# KiCad board FrontEnd_5G.kicad_pcb (continued)
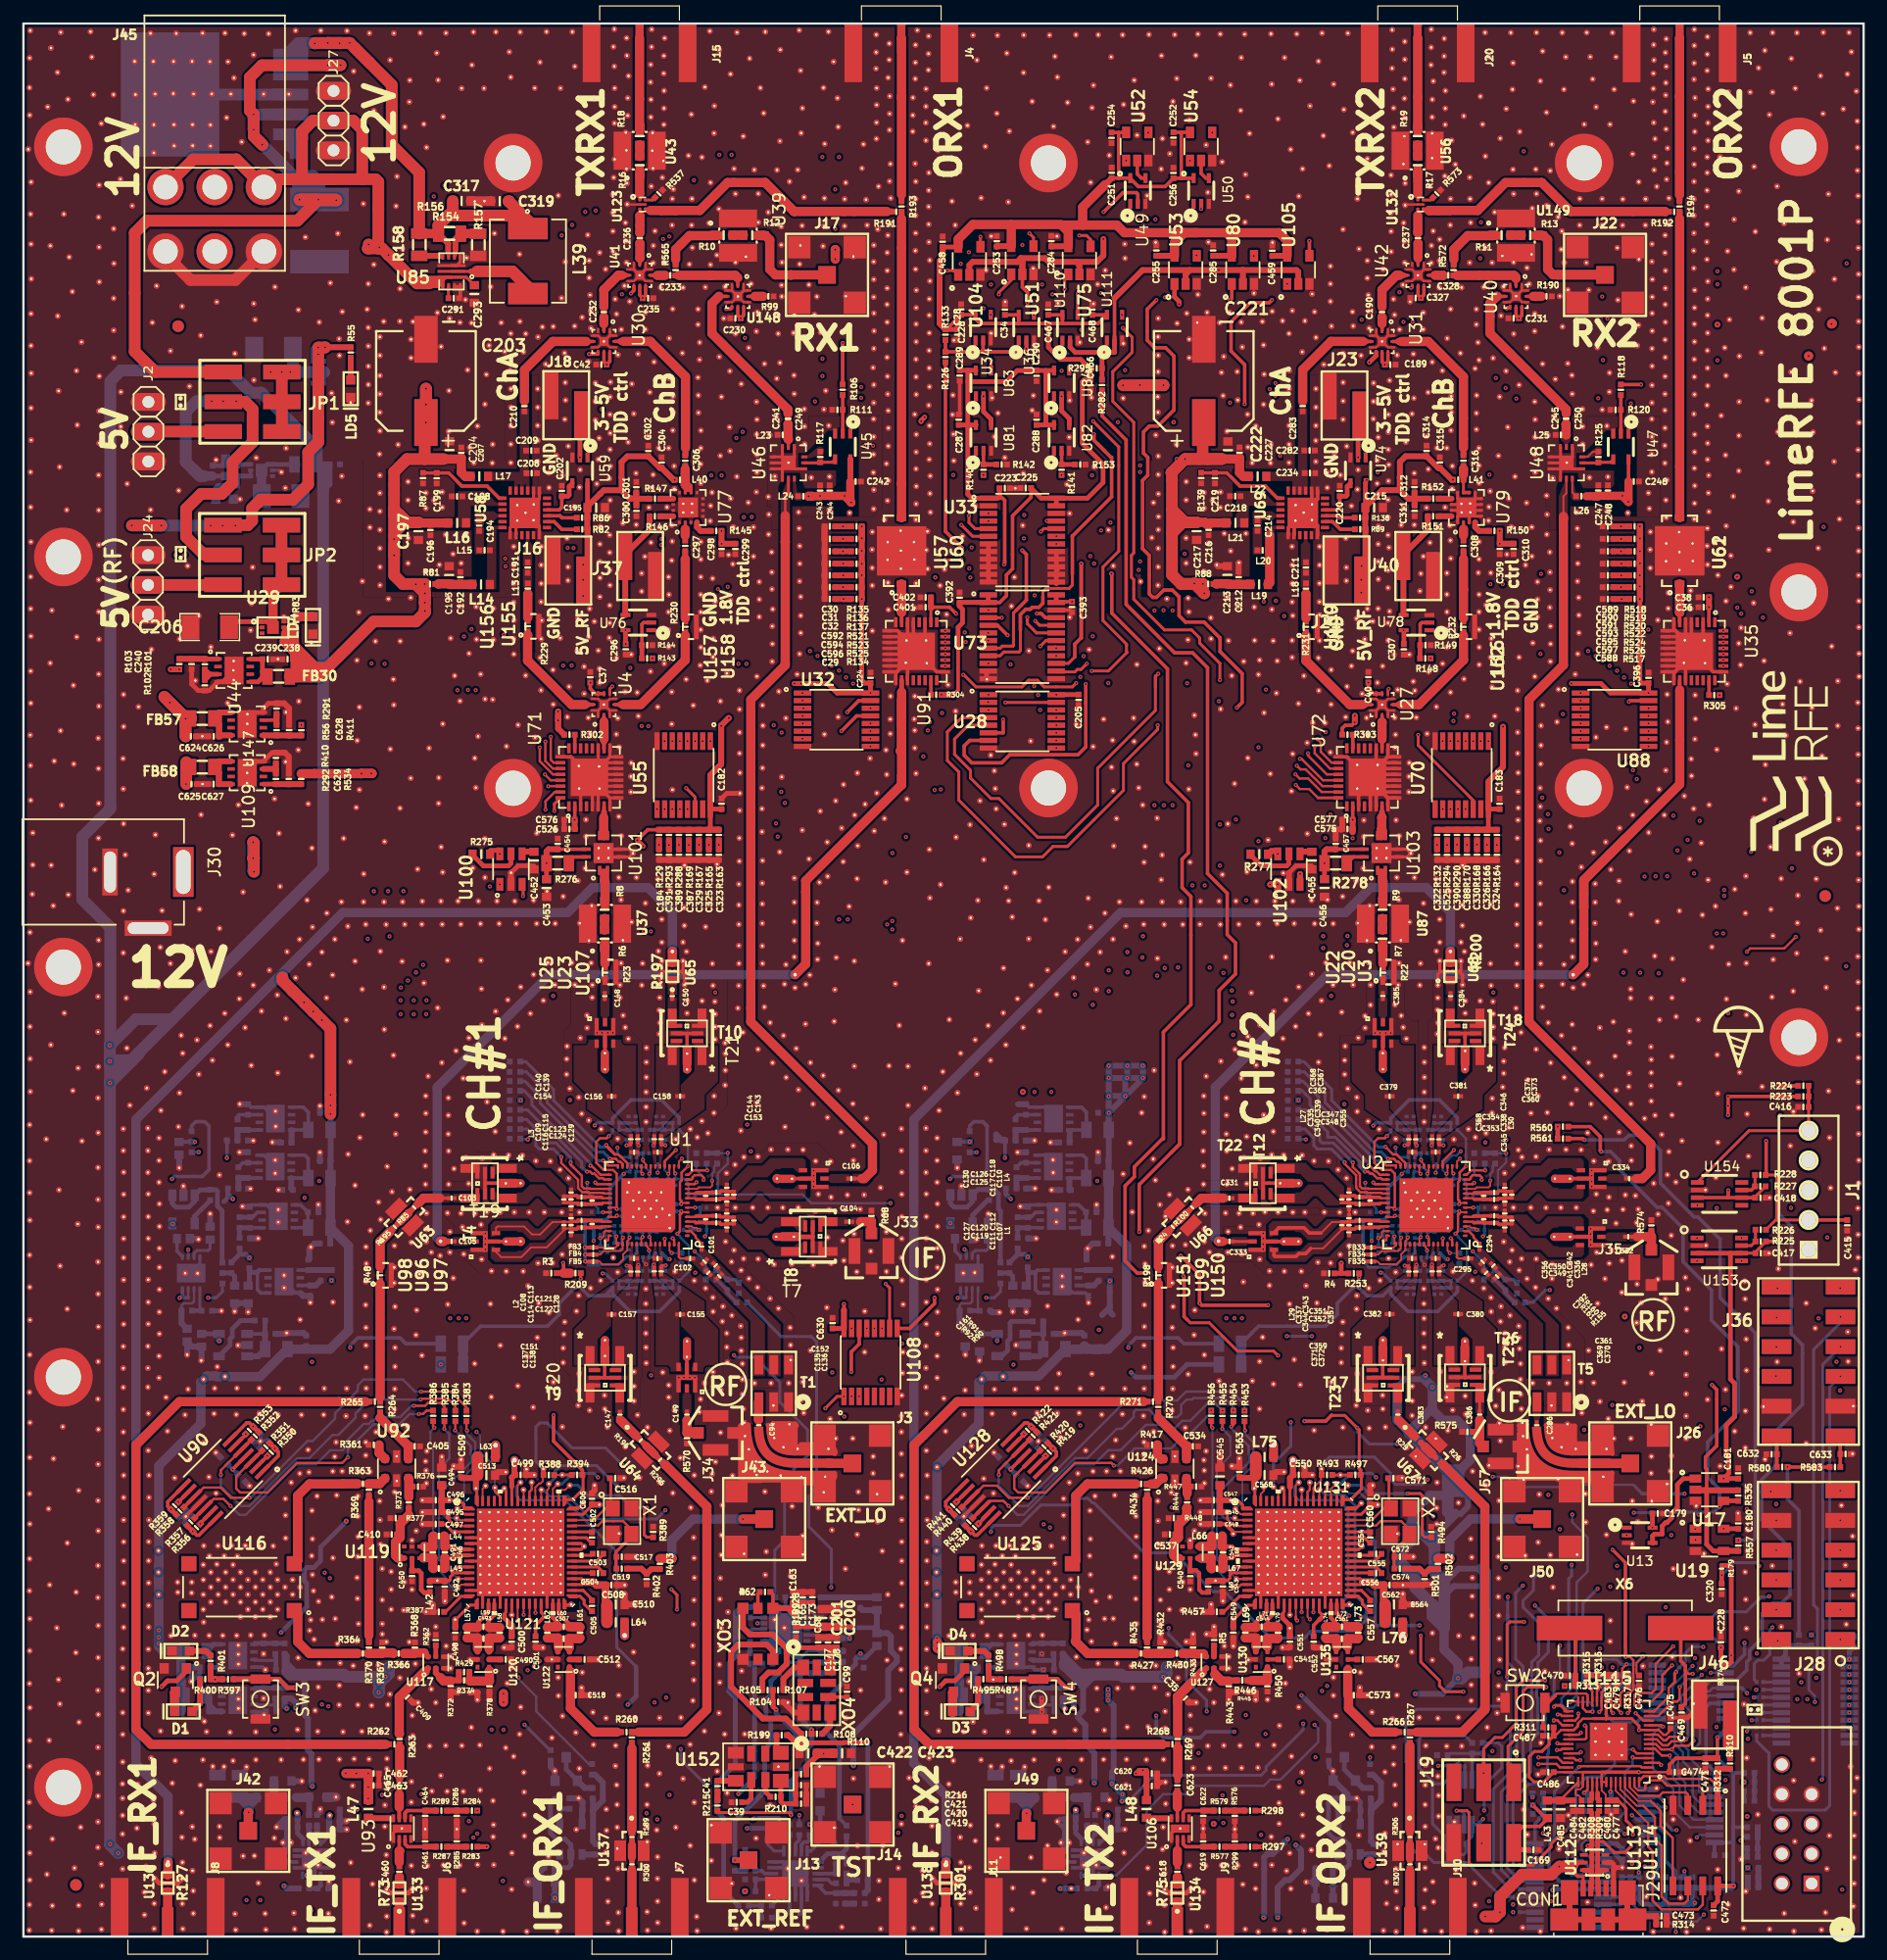
[diagram p0: board, top side]
## Placement (name value [footprint] x y rotation side) (continued)
R202  0R_0402  [SMD0201]  127.48 3.38 180 bottom
R203  0R_0402  [SMD0201]  127.48 2.74 180 bottom
R204  0R_0402  [SMD0201]  127.48 2.08 180 bottom
R205  0RNF_0402  [SMD0402]  129.33 11.22 0 bottom
R206  0R_0402  [SMD0402]  129.32 12.21 0 bottom
R207  10K_0402  [SMD0402]  58.35 66.41 90 bottom
R208  10K_0402  [SMD0402]  57.45 66.41 270 bottom
R209  NF_10K_0402  [SMD0402]  47.14 56.62 0 top
R210  0R_0402  [SMD0402]  64.23 11.93 0 top
R211  10K_0402  [SMD0402]  59.23 66.41 90 bottom
R212  330R_0402  [SMD0402]  41.98 68.1 0 bottom
R213  330R_0402  [SMD0402]  41.98 68.92 0 bottom
R214  330R_0402  [SMD0402]  41.98 69.74 0 bottom
R215  0R_0402_NF  [SMD0402]  59.26 11.18 270 top
R216  0R_0402  [SMD0402]  66.4 13.85 0 top
R217  0RNF_0402  [SMD0402]  123.71 16.07 270 bottom
R218  0R_0402  [SMD0402]  124.61 16.07 270 bottom
R223  10K_0402_Yageo  [SMD0402]  151.99 71.7 180 top
R224  NF_10K_0402  [SMD0402]  151.99 72.61 180 top
R225  0RNF_0402  [SMD0402]  148.35 59.33 180 top
R226  0R_0402  [SMD0402]  148.35 60.33 180 top
R227  0RNF_0402  [SMD0402]  148.31 64.03 180 top
R228  0R_0402  [SMD0402]  148.31 65 180 top
R229  0R_0402  [SMD0402]  43.06 111.82 270 top
R230  0R_0402_NF  [SMD0402]  56.51 111.77 90 top
R231  0R_0402  [SMD0402]  109.51 111.77 270 top
R232  0R_0402_NF  [SMD0402]  122.96 111.77 90 top
R241  110K_0402  [SMD0402]  84.89 60.94 90 bottom
R242  34K8_0402  [SMD0402]  85.78 61.84 90 bottom
R243  44K2_0402  [SMD0402]  84.8 65.21 90 bottom
R244  330R_0402  [SMD0402]  41.98 70.56 0 bottom
R245  330R_0402  [SMD0402]  41.98 71.38 0 bottom
R246  34K8_0402  [SMD0402]  85.62 66.49 90 bottom
R247  330R_0402  [SMD0402]  41.97 73 0 bottom
R248  330R_0402  [SMD0402]  41.98 72.19 0 bottom
R249  330R_0402  [SMD0402]  41.97 73.8 0 bottom
R250  330R_0402  [SMD0402]  41.98 74.67 0 bottom
R251  10K_0402  [SMD0402]  124.79 66.41 90 bottom
R252  10K_0402  [SMD0402]  123.89 66.41 270 bottom
R253  NF_10K_0402  [SMD0402]  113.6 56.6 0 top
R254  23K2_0402  [SMD0402]  84.72 69.29 90 bottom
R255  10K_0402  [SMD0402]  125.67 66.41 90 bottom
R256  330R_0402  [SMD0402]  108.41 68.1 0 bottom
R257  330R_0402  [SMD0402]  108.42 68.92 0 bottom
R258  330R_0402  [SMD0402]  108.42 69.74 0 bottom
R259  34K8_0402  [SMD0402]  85.62 70.58 90 bottom
R260  0R_0402  [SMD0402]  51.5 17.45 180 top
R261  0R_0402_NF  [SMD0402]  51.95 17 90 top
R262  0R_0402_NF  [SMD0402]  31.67 16.41 180 top
R263  0R_0402  [SMD0402]  32.12 16.86 270 top
R264  0R_0402  [SMD0402]  30.46 45.2 270 top
R265  0R_0402_NF  [SMD0402]  30.01 45.65 180 top
R266  0R_0402  [SMD0402]  117.94 17.45 180 top
R267  0R_0402_NF  [SMD0402]  118.39 17 90 top
R268  0R_0402_NF  [SMD0402]  98.11 16.41 180 top
R269  0R_0402  [SMD0402]  98.56 16.86 270 top
R270  0R_0402  [SMD0402]  96.9 45.2 270 top
R271  0R_0402_NF  [SMD0402]  96.45 45.65 180 top
R272  330R_0402  [SMD0402]  108.42 70.56 0 bottom
R273  330R_0402  [SMD0402]  108.42 71.38 0 bottom
R274  330R_0402  [SMD0402]  108.41 73 0 bottom
R275  330R_0603_CRGCQ0603J330R  [SMD0603]  39.1 92.37 0 top
R276  6.81R_0805_CRCW08056R81FNEA  [SMD0805]  45.62 91.6 180 top
R277  330R_0603_CRGCQ0603J330R  [SMD0603]  105.53 92.37 0 top
R278  6.81R_0805_CRCW08056R81FNEA  [SMD0805]  112.05 91.6 180 top
R279  330R_0402  [SMD0402]  108.42 72.19 0 bottom
R280  330R_0402  [SMD0402]  108.41 73.8 0 bottom
R281  330R_0402  [SMD0402]  108.42 74.67 0 bottom
R282  0R_0402  [SMD0402]  92.1 132.41 270 top
R283  10K_0402  [SMD0402]  38.3 7.67 0 top
R284  10K_0402  [SMD0402]  38.3 10.75 0 top
R285  10K_0402  [SMD0402]  37 8.12 90 top
R286  10K_0402  [SMD0402]  37 10.3 270 top
R287  0R_0402  [SMD0402]  35.69 7.67 180 top
R288  10K_0402  [SMD0402]  55.97 94.01 90 top
R289  0R_0402  [SMD0402]  35.69 10.75 180 top
R290  10K_0402  [SMD0402]  122.41 94.01 90 top
R291  34K8_0402  [SMD0402]  21.62 104.8 90 top
R292  44K2_0402  [SMD0402]  21.56 98.79 90 top
R293  10K_0402  [SMD0402]  55.12 94.01 90 top
R294  10K_0402  [SMD0402]  121.56 94.01 90 top
R295  10K_0402  [SMD0402]  91.65 133.84 180 top
R296  0R_0201_NF  [SMD0201]  54.37 40.69 135 top
R297  10K_0402  [SMD0402]  104.74 7.67 0 top
R298  10K_0402  [SMD0402]  104.74 10.75 0 top
R299  10K_0402  [SMD0402]  103.44 8.12 90 top
R300  0R_0201_NF  [SMD0201]  51.96 6.16 90 top
R301  NF_0R_0603_RCS06030000Z0EA  [SMD0603]  78.76 4.57 90 top
R302  0R_0402  [SMD0402]  46.63 102.57 0 top
R303  0R_0402  [SMD0402]  113.06 102.57 0 top
R304  0R_0402  [SMD0402]  77.94 105.98 180 top
R305  0R_0402  [SMD0402]  144.38 105.95 180 top
R306  0R_0201_NF  [SMD0201]  118.39 8.5 90 top
R307  0R_0201_NF  [SMD0201]  118.39 6.16 90 top
R308  27R_0402_ERJ2RKD27R0X  [SMD0402]  133.79 11.16 90 top
R309  27R_0402_ERJ2RKD27R0X  [SMD0402]  134.54 11.16 90 top
R310  1K_0402_CRGP0402F1K0  [SMD0402]  145.72 14.77 90 top
R311  1K_0402_CRGP0402F1K0  [SMD0402]  130.21 17.85 180 top
R312  5K1_0402  [SMD0402]  144.66 14.77 270 top
R313  1K_0402_CRGP0402F1K0  [SMD0402]  132.06 21.39 0 top
R314  1M_0402_RC0402FR-071ML  [SMD0402]  139.87 1.03 0 top
R315  10K_0402_Yageo  [SMD0402]  133.49 21.86 90 top
R316  10K_0402_Yageo  [SMD0402]  134.49 21.87 90 top
R317  0R_0402_RC0402JR-070RL  [SMD0402]  137 21.87 270 top
R344  34K8_0402  [SMD0402]  87.6 19.22 180 bottom
R345  44K2_0402  [SMD0402]  87.95 24.57 270 bottom
R346  34K8_0402  [SMD0402]  87.55 22.77 180 bottom
R347  0R_0402  [SMD0402]  88.75 20.77 270 bottom
R348  0R_0402  [SMD0402]  88.75 24.57 270 bottom
R349  NF_10K_0402  [SMD0402]  20.52 41.34 135 bottom
R350  NF_10K_0402  [SMD0402]  21.16 41.33 45 top
R351  NF_10K_0402  [SMD0402]  20.7 41.8 45 top
R352  NF_10K_0402  [SMD0402]  19.79 42.73 45 top
R353  NF_10K_0402  [SMD0402]  19.3 43.2 45 top
R354  NF_10K_0402  [SMD0402]  19.3 42.57 315 bottom
R355  NF_10K_0402  [SMD0402]  14.77 35.54 135 bottom
R356  NF_10K_0402  [SMD0402]  14.78 34.9 225 top
R357  NF_10K_0402  [SMD0402]  14.29 35.39 225 top
R358  NF_10K_0402  [SMD0402]  13.37 36.31 225 top
R359  NF_10K_0402  [SMD0402]  12.91 36.77 225 top
R360  NF_10K_0402  [SMD0402]  13.55 36.77 315 bottom
R361  49.9R_0402_ERJ-U02F49R9X  [SMD0402]  29.92 41.96 0 top
R362  49.9R_0402_ERJ-U02F49R9X  [SMD0402]  35.21 25.3 270 top
R363  0R_0402_RC0402JR-070RL  [SMD0402]  28.99 38.64 0 top
R364  0R_0402_RC0402JR-070RL  [SMD0402]  28.99 24.16 0 top
R365  0R_0402  [SMD0402]  84.9 59.18 270 bottom
R366  0R_0402_RC0402JR-070RL  [SMD0402]  32.04 24.16 180 top
R367  0R_0402_NF  [SMD0402]  30.64 24.66 270 top
R368  0R_0402_NF  [SMD0402]  33.43 24.66 270 top
R369  0R_0402_NF  [SMD0402]  29.5 38.13 270 top
R370  0R_0402_NF  [SMD0402]  29.5 24.66 90 top
R371  0R_0402_NF  [SMD0402]  48.86 7.45 90 bottom
R372  0R_0402_NF  [SMD0402]  36.48 21.37 90 top
R373  0R_0402_RC0402JR-070RL  [SMD0402]  32.91 37.05 90 top
R374  0R_0402_RC0402JR-070RL  [SMD0402]  37.63 21.87 0 top
R375  NF_10K_0402  [SMD0402]  46.63 11.36 90 bottom
R376  0R_0402_NF  [SMD0402]  33.69 38.4 180 top
R377  0R_0402_NF  [SMD0402]  31.79 35.71 0 top
R378  0R_0402_NF  [SMD0402]  39.79 21.36 90 top
R379  NF_10K_0402  [SMD0402]  45.81 11.35 270 bottom
R380  NF_10K_0402  [SMD0402]  48.6 12.23 270 bottom
R381  NF_10K_0402  [SMD0402]  45.02 15.46 270 bottom
R382  NF_0R_0402_RCS04020000Z0ED  [SMD0402]  48.55 14.27 270 bottom
R383  0R_0402_NF  [SMD0402]  37.83 44.43 90 top
R384  0R_0402_NF  [SMD0402]  36.88 44.43 90 top
R385  0R_0402_NF  [SMD0402]  35.95 44.43 90 top
R386  0R_0402_NF  [SMD0402]  34.98 44.44 90 top
R387  12.4K_0402_ERJ-2RKF1242X  [SMD0402]  35.47 27.71 0 top
R388  10K_0402_Yageo  [SMD0402]  44.86 39.39 0 top
R389  0R_0402_NF  [SMD0402]  53.77 34.53 90 top
R390  NF_120R_0805_Panasonic  [SMD0805]  16.57 12.82 90 bottom
R391  0R_0402_NF  [SMD0402]  27.46 10.83 0 bottom
R392  NF_120R_0805_Panasonic  [SMD0805]  18.49 12.82 90 bottom
R393  NF_249R_0603_CRCW0603249RFKEAHP  [SMD0603]  20.65 11.87 0 bottom
R394  0R_0402_NF  [SMD0402]  47.28 39.4 180 top
R395  NF_60R4_0603_Yageo  [SMD0603]  22.14 13.28 0 bottom
R396  NF_52R3_0603_Yageo  [SMD0603]  25.14 11.9 0 bottom
R397  NF_10K_0402  [SMD0402]  17.47 21.96 180 top
R398  NF_11.4K_0402_RT0402BRE0711K4L  [SMD0402]  23.95 4.11 180 bottom
R399  NF_10K_0402  [SMD0402]  25.57 4.11 180 bottom
R400  510R_0402_RC0402JR-07510RL  [SMD0402]  15.53 21.97 0 top
R401  510R_0402_RC0402JR-07510RL  [SMD0402]  15.98 23.53 270 top
R402  0R_0402_NF  [SMD0402]  53.21 30.51 90 top
R403  0R_0402_NF  [SMD0402]  54.35 31.81 270 top
R404  0R_0402  [SMD0402]  84.35 63.85 180 bottom
R407  20K_0402_CRCW040220K0FKEDC  [SMD0402]  134.21 21.84 90 bottom
R408  20K_0402_CRCW040220K0FKEDC  [SMD0402]  137.94 21.83 90 bottom
R409  0R_0402  [SMD0402]  84.27 67.94 180 bottom
R410  34K8_0402  [SMD0402]  21.56 100.58 90 top
R411  0R_0402  [SMD0402]  23.73 102.95 90 top
R412  0R_0402  [SMD0402]  84.2 57.08 90 bottom
R417  49.9R_0402_ERJ-U02F49R9X  [SMD0402]  96.38 41.97 0 top
R418  NF_10K_0402  [SMD0402]  86.96 41.34 135 bottom
R419  NF_10K_0402  [SMD0402]  87.6 41.34 45 top
R420  NF_10K_0402  [SMD0402]  87.14 41.81 45 top
R421  NF_10K_0402  [SMD0402]  86.22 42.73 45 top
R422  NF_10K_0402  [SMD0402]  85.74 43.21 45 top
R423  NF_10K_0402  [SMD0402]  85.74 42.57 315 bottom
R424  0R_0402_NF  [SMD0402]  115.3 7.45 90 bottom
R425  0R_0402  [SMD0402]  17.76 57.08 90 bottom
R426  0R_0402_RC0402JR-070RL  [SMD0402]  95.44 38.63 0 top
R427  0R_0402_RC0402JR-070RL  [SMD0402]  95.43 24.16 0 top
R428  0R_0402  [SMD0402]  19.29 57.48 90 bottom
R429  NF_0R_0402_RCS04020000Z0ED  [SMD0402]  37.63 22.57 180 top
R430  0R_0402_RC0402JR-070RL  [SMD0402]  98.49 24.16 180 top
R431  NF_10K_0402  [SMD0402]  113.07 11.35 90 bottom
R432  0R_0402_NF  [SMD0402]  97.09 24.66 270 top
R433  0R_0402_NF  [SMD0402]  99.88 24.67 270 top
R434  0R_0402_NF  [SMD0402]  95.95 38.13 270 top
R435  0R_0402_NF  [SMD0402]  95.95 24.67 90 top
R436  NF_10K_0402  [SMD0402]  112.25 11.35 270 bottom
R437  NF_10K_0402  [SMD0402]  81.22 35.54 135 bottom
R438  NF_10K_0402  [SMD0402]  81.22 34.91 225 top
R439  NF_10K_0402  [SMD0402]  80.73 35.39 225 top
R440  NF_10K_0402  [SMD0402]  79.81 36.31 225 top
R441  NF_10K_0402  [SMD0402]  79.35 36.77 225 top
R442  NF_10K_0402  [SMD0402]  79.99 36.77 315 bottom
R443  0R_0402_NF  [SMD0402]  102.93 21.36 90 top
R444  0R_0402_RC0402JR-070RL  [SMD0402]  99.37 37.06 90 top
R445  NF_0R_0402_RCS04020000Z0ED  [SMD0402]  104.08 21.87 180 top
R446  0R_0402_RC0402JR-070RL  [SMD0402]  104.08 21.87 0 top
R447  0R_0402_NF  [SMD0402]  100.14 38.41 180 top
R448  0R_0402_NF  [SMD0402]  98.24 35.71 0 top
R449  NF_10K_0402  [SMD0402]  115.04 12.23 270 bottom
R450  0R_0402_NF  [SMD0402]  106.23 21.36 90 top
R451  NF_10K_0402  [SMD0402]  111.46 15.46 270 bottom
R452  NF_0R_0402_RCS04020000Z0ED  [SMD0402]  114.99 14.27 270 bottom
R453  0R_0402_NF  [SMD0402]  104.27 44.43 90 top
R454  0R_0402_NF  [SMD0402]  103.32 44.43 90 top
R455  0R_0402_NF  [SMD0402]  102.38 44.43 90 top
R456  0R_0402_NF  [SMD0402]  101.42 44.44 90 top
R457  12.4K_0402_ERJ-2RKF1242X  [SMD0402]  101.91 27.71 0 top
R458  NF_120R_0805_Panasonic  [SMD0805]  83.01 12.82 90 bottom
R459  0R_0402_NF  [SMD0402]  93.9 10.83 0 bottom
R472  NF_120R_0805_Panasonic  [SMD0805]  84.94 12.82 90 bottom
R487  NF_10K_0402  [SMD0402]  83.91 21.96 180 top
R491  NF_249R_0603_CRCW0603249RFKEAHP  [SMD0603]  87.09 11.87 0 bottom
R492  NF_60R4_0603_Yageo  [SMD0603]  88.59 13.28 0 bottom
R493  10K_0402_Yageo  [SMD0402]  111.31 39.4 0 top
R494  0R_0402_NF  [SMD0402]  120.21 34.53 90 top
R495  510R_0402_RC0402JR-07510RL  [SMD0402]  81.97 21.97 0 top
R496  NF_52R3_0603_Yageo  [SMD0603]  91.58 11.9 0 bottom
R497  0R_0402_NF  [SMD0402]  113.73 39.4 180 top
R498  510R_0402_RC0402JR-07510RL  [SMD0402]  82.42 23.53 270 top
R499  NF_11.4K_0402_RT0402BRE0711K4L  [SMD0402]  90.39 4.11 180 bottom
R500  NF_10K_0402  [SMD0402]  92.01 4.11 180 bottom
R501  0R_0402_NF  [SMD0402]  119.65 30.51 90 top
R502  0R_0402_NF  [SMD0402]  120.79 31.81 270 top
R517  10K_0402  [SMD0402]  137.58 114.15 0 top
R518  10K_0402  [SMD0402]  137.58 120.35 0 top
R519  10K_0402  [SMD0402]  137.58 119.28 0 top
R520  10K_0402  [SMD0402]  137.58 118.22 0 top
R521  10K_0402  [SMD0402]  71.14 117.16 0 top
R522  10K_0402  [SMD0402]  137.58 117.16 0 top
R523  10K_0402  [SMD0402]  71.14 116.17 0 top
R524  10K_0402  [SMD0402]  137.58 116.17 0 top
R525  10K_0402  [SMD0402]  71.14 115.16 0 top
R526  10K_0402  [SMD0402]  137.58 115.16 0 top
R532  0R_0805  [SMD0805]  103.03 50.6 180 bottom
R533  0R_0805  [SMD0805]  103.03 48.83 180 bottom
R534  0R_0402  [SMD0402]  23.72 98.79 90 top
R535  0R_0402_NF  [SMD0402]  146.42 37.64 90 top
R537  49.9R_0402_ERJ-U02F49R9X  [SMD0402]  54.26 148.73 225 top
R554  39R_0402  [SMD0402]  64.61 28.96 0 bottom
R556  0R_0402  [SMD0402]  85.76 57.56 90 bottom
R557  0R_0402_NF  [SMD0402]  146.43 33.37 270 top
R558  10K_0402  [SMD0402]  82.1 53.41 0 bottom
R559  4K99_0402  [SMD0402]  80.39 53.42 0 bottom
R560  0R_0402  [SMD0402]  131.46 69.12 180 top
R561  0R_0402_NF  [SMD0402]  131.46 68.1 180 top
R562  0R_0402  [SMD0402]  83.43 56.18 270 bottom
R563  0R_0402_NF  [SMD0402]  83.43 57.08 90 bottom
R565  0R_0402_NF  [SMD0402]  55.69 142.22 270 top
R566  19K6_0402  [SMD0402]  91.82 56.43 270 bottom
R567  34K8_0402  [SMD0402]  90.92 55.12 270 bottom
R568  0R_0402  [SMD0402]  80.8 67.38 270 bottom
R569  0R_0402_NF  [SMD0402]  80.8 68.28 90 bottom
R570  49.9R_0402_ERJ-U02F49R9X  [SMD0402]  56.66 42.53 270 top
R571  0R_0402  [SMD0402]  92.76 56.44 270 bottom
R572  0R_0402_NF  [SMD0402]  122.12 142.22 270 top
R573  49.9R_0402_ERJ-U02F49R9X  [SMD0402]  120.69 148.73 225 top
R574  49.9R_0402_ERJ-U02F49R9X  [SMD0402]  139.01 60.69 270 top
R575  49.9R_0402_ERJ-U02F49R9X  [SMD0402]  123.3 43.07 0 top
R576  10K_0402  [SMD0402]  103.44 10.3 270 top
R577  0R_0402  [SMD0402]  102.13 7.67 180 top
R579  0R_0402  [SMD0402]  102.13 10.75 180 top
R580  0R_0402  [SMD0402]  150.18 40.07 0 top
R583  0R_0402  [SMD0402]  154.69 40.07 0 top
R586  0R_0402  [SMD0201]  148.28 21.72 180 bottom
R587  0R_0402  [SMD0201]  148.28 21.07 180 bottom
R588  0R_0402  [SMD0201]  148.28 20.42 180 bottom
R589  0R_0402  [SMD0201]  148.28 19.77 180 bottom
R590  0R_0402  [SMD0201]  148.28 19.11 180 bottom
R591  0R_0402  [SMD0201]  148.28 18.47 180 bottom
R592  0R_0402  [SMD0201]  148.28 17.82 180 bottom
R593  0R_0402  [SMD0201]  148.28 17.16 180 bottom
R594  0RNF_0402  [SMD0402]  152.67 25.29 270 bottom
R595  0R_0402  [SMD0402]  151.6 25.29 270 bottom
Ref**  Val**  [VIA_600_400]  50.74 68.08 0 top
Ref**#2  Val**  [VIA_600_400]  55.71 68.03 180 top
Ref**#3  Val**  [VIA_600_400#2]  45.96 62.61 0 top
Ref**#4  Val**  [VIA_600_400#2]  46.72 59.74 0 top
Ref**#5  Val**  [VIA_600_400#2]  46 59.01 0 top
Ref**#6  Val**  [VIA_600_400]  44.49 61.81 0 top
Ref**#7  Val**  [VIA_600_400#2]  42.45 60.13 0 top
Ref**#8  Val**  [VIA_600_400#2]  42.46 65.09 0 top
Ref**#9  Val**  [VIA_600_400#3]  51.56 63.61 0 top
Ref**#10  Val**  [VIA_600_400]  55.63 56.76 180 top
Ref**#11  Val**  [VIA_600_400#4]  59.27 63.01 180 top
Ref**#12  Val**  [VIA_600_400]  64.35 64.69 180 top
Ref**#13  Val**  [VIA_600_400]  64.28 59.72 180 top
Ref**#14  Val**  [VIA_600_400#5]  41.23 57.57 90 top
Ref**#15  Val**  [VIA_600_400#5]  42.68 57.57 90 top
Ref**#16  Val**  [VIA_600_400]  45.18 57.48 90 top
Ref**#17  Val**  [VIA_600_400]  43.94 57.46 90 top
Ref**#18  Val**  [VIA_600_400#2]  47.49 62.61 0 top
Ref**#19  Val**  [VIA_600_400#5]  41.92 62.62 90 top
Ref**#20  Val**  [VIA_600_400#5]  43.19 62.62 90 top
Ref**#21  Val**  [VIA_600_400]  43.76 66.19 90 top
Ref**#22  Val**  [VIA_600_400]  45 66.17 90 top
Ref**#23  Val**  [VIA_600_400]  142.01 53.56 270 top
Ref**#24  Val**  [VIA_600_400]  42.6 66.67 90 top
Ref**#25  Val**  [VIA_600_400]  45.82 65.44 0 top
Ref**#26  Val**  [VIA_600_400]  46.54 64.72 0 top
Ref**#27  Val**  [VIA_600_400]  49.32 68.9 0 top
Ref**#28  Val**  [VIA_600_400]  48.28 69.66 0 top
Ref**#29  Val**  [VIA_600_400]  58.89 53.33 180 top
Ref**#30  Val**  [VIA_600_400]  59.68 52.49 180 top
Ref**#31  Val**  [VIA_600_400]  58.87 54.54 180 top
Ref**#32  Val**  [VIA_600_400]  53.17 69.53 0 top
Ref**#33  Val**  [VIA_600_400]  53.17 70.8 0 top
Ref**#34  Val**  [VIA_600_400]  53.17 72.07 0 top
Ref**#35  Val**  [VIA_600_400]  56.95 68.91 180 top
Ref**#36  Val**  [VIA_600_400]  57.93 69.6 180 top
Ref**#37  Val**  [VIA_600_400]  58.98 71.73 180 top
Ref**#38  Val**  [VIA_600_400]  59.92 72.66 180 top
Ref**#39  Val**  [VIA_600_400]  58.96 70.29 180 top
Ref**#40  Val**  [VIA_600_400]  47.42 54.7 0 top
Ref**#41  Val**  [VIA_600_400]  46.22 52.45 0 top
Ref**#42  Val**  [VIA_600_400]  47.23 53.37 0 top
Ref**#43  Val**  [VIA_600_400]  48.43 55.34 0 top
Ref**#44  Val**  [VIA_600_400]  49.29 55.99 0 top
Ref**#45  Val**  [VIA_600_400]  53.16 52.75 180 top
Ref**#46  Val**  [VIA_600_400]  53.15 54.01 180 top
Ref**#47  Val**  [VIA_600_400]  53.15 55.28 180 top
Ref**#48  Val**  [VIA_600_400]  44.01 54.07 180 top
Ref**#49  Val**  [VIA_600_400]  44.88 53.24 180 top
Ref**#50  Val**  [VIA_600_400]  58.25 55.33 180 top
Ref**#51  Val**  [VIA_600_400]  57.28 55.98 180 top
Ref**#52  Val**  [VIA_600_400]  50.74 56.7 0 top
Ref**#53  Val**  [VIA_600_400#4]  59.96 60.11 180 top
Ref**#54  Val**  [VIA_600_400#4]  60.68 59.38 180 top
Ref**#55  Val**  [VIA_600_400#6]  65.61 58.19 270 top
Ref**#56  Val**  [VIA_600_400#6]  64.1 58.16 270 top
Ref**#57  Val**  [VIA_600_400#6]  61.5 58.65 270 top
Ref**#58  Val**  [VIA_600_400#6]  62.74 58.63 270 top
Ref**#59  Val**  [VIA_600_400#6]  63.57 63.01 270 top
Ref**#60  Val**  [VIA_600_400#6]  64.84 63.01 270 top
Ref**#61  Val**  [VIA_600_400]  62.72 66.56 270 top
Ref**#62  Val**  [VIA_600_400]  61.52 66.52 270 top
Ref**#63  Val**  [VIA_600_400]  63.83 67.16 270 top
Ref**#64  Val**  [VIA_600_400]  65.28 67.16 270 top
Ref**#65  Val**  [VIA_600_400#4]  62.27 63.01 180 top
Ref**#66  Val**  [VIA_600_400]  60.76 65.88 180 top
Ref**#67  Val**  [VIA_600_400]  60.04 65.15 180 top
Ref**#68  Val**  [VIA_600_400#4]  60.79 63.01 180 top
Ref**#69  Val**  [VIA_600_400]  41.43 66.69 0 top
Ref**#70  Val**  [VIA_600_400]  60.46 57.58 180 top
Ref**#71  Val**  [VIA_600_400]  61.28 56.86 270 top
Ref**#72  Val**  [VIA_600_400]  63.75 54.45 270 top
Ref**#73  Val**  [VIA_600_400]  62.68 55.4 180 top
Ref**#74  Val**  [VIA_600_400]  61.95 56.15 180 top
Ref**#75  Val**  [VIA_600_400]  64.47 53.61 180 top
Ref**#76  Val**  [VIA_600_400]  46.65 72.36 0 top
Ref**#77  Val**  [VIA_600_400#3]  41.08 72.61 90 top
Ref**#78  Val**  [VIA_600_400]  61.25 52.11 180 top
Ref**#79  Val**  [VIA_600_400]  59.73 53.78 180 top
Ref**#80  Val**  [VIA_600_400]  60.49 53 270 top
Ref**#81  Val**  [VIA_600_400]  57.54 68.21 180 top
Ref**#82  Val**  [VIA_600_400]  58.45 68.56 180 top
Ref**#83  Val**  [VIA_600_400]  65.63 64.67 180 top
Ref**#84  Val**  [VIA_600_400]  65.79 59.72 270 top
Ref**#85  Val**  [VIA_600_400]  40.56 29.36 0 top
Ref**#86  Val**  [VIA_600_400]  39.8 29.36 0 top
Ref**#87  Val**  [VIA_600_400]  39.03 29.36 0 top
Ref**#88  Val**  [VIA_600_400]  42.84 29.36 0 top
Ref**#89  Val**  [VIA_600_400]  42.08 29.36 0 top
Ref**#90  Val**  [VIA_600_400]  41.31 29.36 0 top
Ref**#91  Val**  [VIA_600_400]  45.12 29.36 0 top
Ref**#92  Val**  [VIA_600_400]  44.36 29.36 0 top
Ref**#93  Val**  [VIA_600_400]  43.59 29.36 0 top
Ref**#94  Val**  [VIA_600_400]  45.88 29.36 0 top
Ref**#95  Val**  [VIA_600_400]  47.91 30.25 0 top
Ref**#96  Val**  [VIA_600_400]  47.87 33.29 0 top
Ref**#97  Val**  [VIA_600_400]  41.69 23.01 0 top
Ref**#98  Val**  [VIA_600_400]  38.14 23.62 0 top
Ref**#99  Val**  [VIA_600_400]  36.86 24.79 0 top
Ref**#100  Val**  [VIA_600_400]  34.38 27.71 0 top
Ref**#101  Val**  [VIA_600_400]  34.97 28.27 0 top
Ref**#102  Val**  [VIA_600_400]  35.99 28.63 0 top
Ref**#103  Val**  [VIA_600_400]  33.18 29.61 0 top
Ref**#104  Val**  [VIA_600_400]  32.54 30.25 0 top
Ref**#105  Val**  [VIA_600_400]  39.79 20.22 0 top
Ref**#106  Val**  [VIA_600_400]  37.12 20.85 0 top
Ref**#107  Val**  [VIA_600_400]  36.48 20.22 0 top
Ref**#108  Val**  [VIA_600_400]  38.13 20.85 0 top
Ref**#109  Val**  [VIA_600_400]  38.77 20.21 0 top
Ref**#110  Val**  [VIA_600_400]  35.21 26.44 0 top
Ref**#111  Val**  [VIA_600_400]  34.58 25.81 0 top
Ref**#112  Val**  [VIA_600_400]  33.44 25.81 0 top
Ref**#113  Val**  [VIA_600_400]  32.95 25.14 0 top
Ref**#114  Val**  [VIA_600_400]  36.87 27.06 0 top
Ref**#115  Val**  [VIA_600_400]  41.7 27.45 0 top
Ref**#116  Val**  [VIA_600_400]  48.3 20.6 0 top
Ref**#117  Val**  [VIA_600_400]  47.66 21.23 0 top
Ref**#118  Val**  [VIA_600_400]  41.7 26.31 0 top
Ref**#119  Val**  [VIA_600_400]  49.06 23.65 0 top
Ref**#120  Val**  [VIA_600_400]  45.12 23.65 0 top
Ref**#121  Val**  [VIA_600_400]  44.36 24.66 0 top
Ref**#122  Val**  [VIA_600_400]  41.05 24.66 0 top
Ref**#123  Val**  [VIA_600_400]  52.23 28.35 0 top
Ref**#124  Val**  [VIA_600_400]  51.34 29.24 0 top
Ref**#125  Val**  [VIA_600_400]  51.34 30 0 top
Ref**#126  Val**  [VIA_600_400]  36.48 23.9 0 top
Ref**#127  Val**  [VIA_600_400]  36.48 22.89 0 top
Ref**#128  Val**  [VIA_600_400]  33.69 19.96 0 top
Ref**#129  Val**  [VIA_600_400]  30.99 25.15 0 top
Ref**#130  Val**  [VIA_600_400]  30.64 25.81 0 top
Ref**#131  Val**  [VIA_600_400]  29.24 42.19 0 top
Ref**#132  Val**  [VIA_600_400]  34.45 41.43 0 top
Ref**#133  Val**  [VIA_600_400]  31.87 40.99 0 top
Ref**#134  Val**  [VIA_600_400]  31.88 38.88 0 top
Ref**#135  Val**  [VIA_600_400]  34.34 40.56 0 top
Ref**#136  Val**  [VIA_600_400]  34.38 39.78 0 top
Ref**#137  Val**  [VIA_600_400]  34.41 38.68 0 top
Ref**#138  Val**  [VIA_600_400]  34.07 37.24 0 top
Ref**#139  Val**  [VIA_600_400]  34.07 36.22 0 top
Ref**#140  Val**  [VIA_600_400]  34.07 35.2 0 top
Ref**#141  Val**  [VIA_600_400]  30.42 37.17 0 top
Ref**#142  Val**  [VIA_600_400]  30.45 35.55 0 top
Ref**#143  Val**  [VIA_600_400]  30.49 33.47 0 top
Ref**#144  Val**  [VIA_600_400]  30.64 31.39 0 top
Ref**#145  Val**  [VIA_600_400]  31.4 31.14 0 top
Ref**#146  Val**  [VIA_600_400]  33.54 34.62 0 top
Ref**#147  Val**  [VIA_600_400]  35.73 40.94 0 top
Ref**#148  Val**  [VIA_600_400]  37.37 40.7 0 top
Ref**#149  Val**  [VIA_600_400]  36.74 40.16 0 top
Ref**#150  Val**  [VIA_600_400]  33.18 33.81 0 top
Ref**#151  Val**  [VIA_600_400]  32.47 27.85 0 top
Ref**#152  Val**  [VIA_600_400]  45.87 30.12 0 top
Ref**#153  Val**  [VIA_600_400]  31.4 27.92 0 top
Ref**#154  Val**  [VIA_600_400]  45.11 30.12 0 top
Ref**#155  Val**  [VIA_600_400]  30.64 28.73 0 top
Ref**#156  Val**  [VIA_600_400]  44.35 30.12 0 top
Ref**#157  Val**  [VIA_600_400]  31.4 29.62 0 top
Ref**#158  Val**  [VIA_600_400]  43.58 30.12 0 top
Ref**#159  Val**  [VIA_600_400]  30.64 26.69 0 top
Ref**#160  Val**  [VIA_600_400]  42.83 30.12 0 top
Ref**#161  Val**  [VIA_600_400]  42.07 30.12 0 top
Ref**#162  Val**  [VIA_600_400]  41.3 30.12 0 top
Ref**#163  Val**  [VIA_600_400]  40.55 30.12 0 top
Ref**#164  Val**  [VIA_600_400]  39.79 30.12 0 top
Ref**#165  Val**  [VIA_600_400]  39.02 30.12 0 top
Ref**#166  Val**  [VIA_600_400]  45.87 30.89 0 top
Ref**#167  Val**  [VIA_600_400]  45.11 30.89 0 top
Ref**#168  Val**  [VIA_600_400]  44.35 30.89 0 top
Ref**#169  Val**  [VIA_600_400]  43.58 30.89 0 top
Ref**#170  Val**  [VIA_600_400]  42.83 30.89 0 top
Ref**#171  Val**  [VIA_600_400]  42.07 30.89 0 top
Ref**#172  Val**  [VIA_600_400]  41.3 30.89 0 top
Ref**#173  Val**  [VIA_600_400]  40.55 30.89 0 top
Ref**#174  Val**  [VIA_600_400]  39.79 30.89 0 top
Ref**#175  Val**  [VIA_600_400]  39.02 30.89 0 top
Ref**#176  Val**  [VIA_600_400]  45.87 31.65 0 top
Ref**#177  Val**  [VIA_600_400]  45.11 31.65 0 top
Ref**#178  Val**  [VIA_600_400]  44.35 31.65 0 top
Ref**#179  Val**  [VIA_600_400]  43.58 31.65 0 top
Ref**#180  Val**  [VIA_600_400]  42.83 31.65 0 top
Ref**#181  Val**  [VIA_600_400]  42.07 31.65 0 top
Ref**#182  Val**  [VIA_600_400]  41.3 31.65 0 top
Ref**#183  Val**  [VIA_600_400]  40.55 31.65 0 top
Ref**#184  Val**  [VIA_600_400]  39.79 31.65 0 top
Ref**#185  Val**  [VIA_600_400]  39.02 31.65 0 top
Ref**#186  Val**  [VIA_600_400]  24.39 39.63 0 top
Ref**#187  Val**  [VIA_600_400]  45.88 32.41 0 top
Ref**#188  Val**  [VIA_600_400]  26.42 39.7 0 top
Ref**#189  Val**  [VIA_600_400]  45.12 32.41 0 top
Ref**#190  Val**  [VIA_600_400]  27.22 39.71 0 top
Ref**#191  Val**  [VIA_600_400]  44.36 32.41 0 top
Ref**#192  Val**  [VIA_600_400]  29.59 39.67 0 top
Ref**#193  Val**  [VIA_600_400]  43.59 32.41 0 top
Ref**#194  Val**  [VIA_600_400]  29.23 41.07 0 top
Ref**#195  Val**  [VIA_600_400]  42.84 32.41 0 top
Ref**#196  Val**  [VIA_600_400]  26.58 40.95 0 top
Ref**#197  Val**  [VIA_600_400]  42.08 32.41 0 top
Ref**#198  Val**  [VIA_600_400]  26.7 42.19 0 top
Ref**#199  Val**  [VIA_600_400]  41.31 32.41 0 top
Ref**#200  Val**  [VIA_600_400]  27.55 44.42 0 top
Ref**#201  Val**  [VIA_600_400]  40.56 32.41 0 top
Ref**#202  Val**  [VIA_600_400]  20.23 42.27 0 top
Ref**#203  Val**  [VIA_600_400]  39.8 32.41 0 top
Ref**#204  Val**  [VIA_600_400]  19.31 38.46 0 top
Ref**#205  Val**  [VIA_600_400]  39.03 32.41 0 top
Ref**#206  Val**  [VIA_600_400]  36.1 24.79 0 top
Ref**#207  Val**  [VIA_600_400]  45.87 33.17 0 top
Ref**#208  Val**  [VIA_600_400]  34.83 21.11 0 top